# Altium PCB PCB1.PcbDoc (part 2 of 2)
Units mil, origin at the board's own origin, x right, y up, seen from the top; angles counter-clockwise.
Board outline 1850.39 x 1850.39 mil, 4 copper layers (Component Side, Ground Plane, Power Plane, Solder Side), stack 33.234 mil thick; 81 components, 68 nets, 324 pads, 677 vias.
Unrouted connection lines stored in the file: 1.
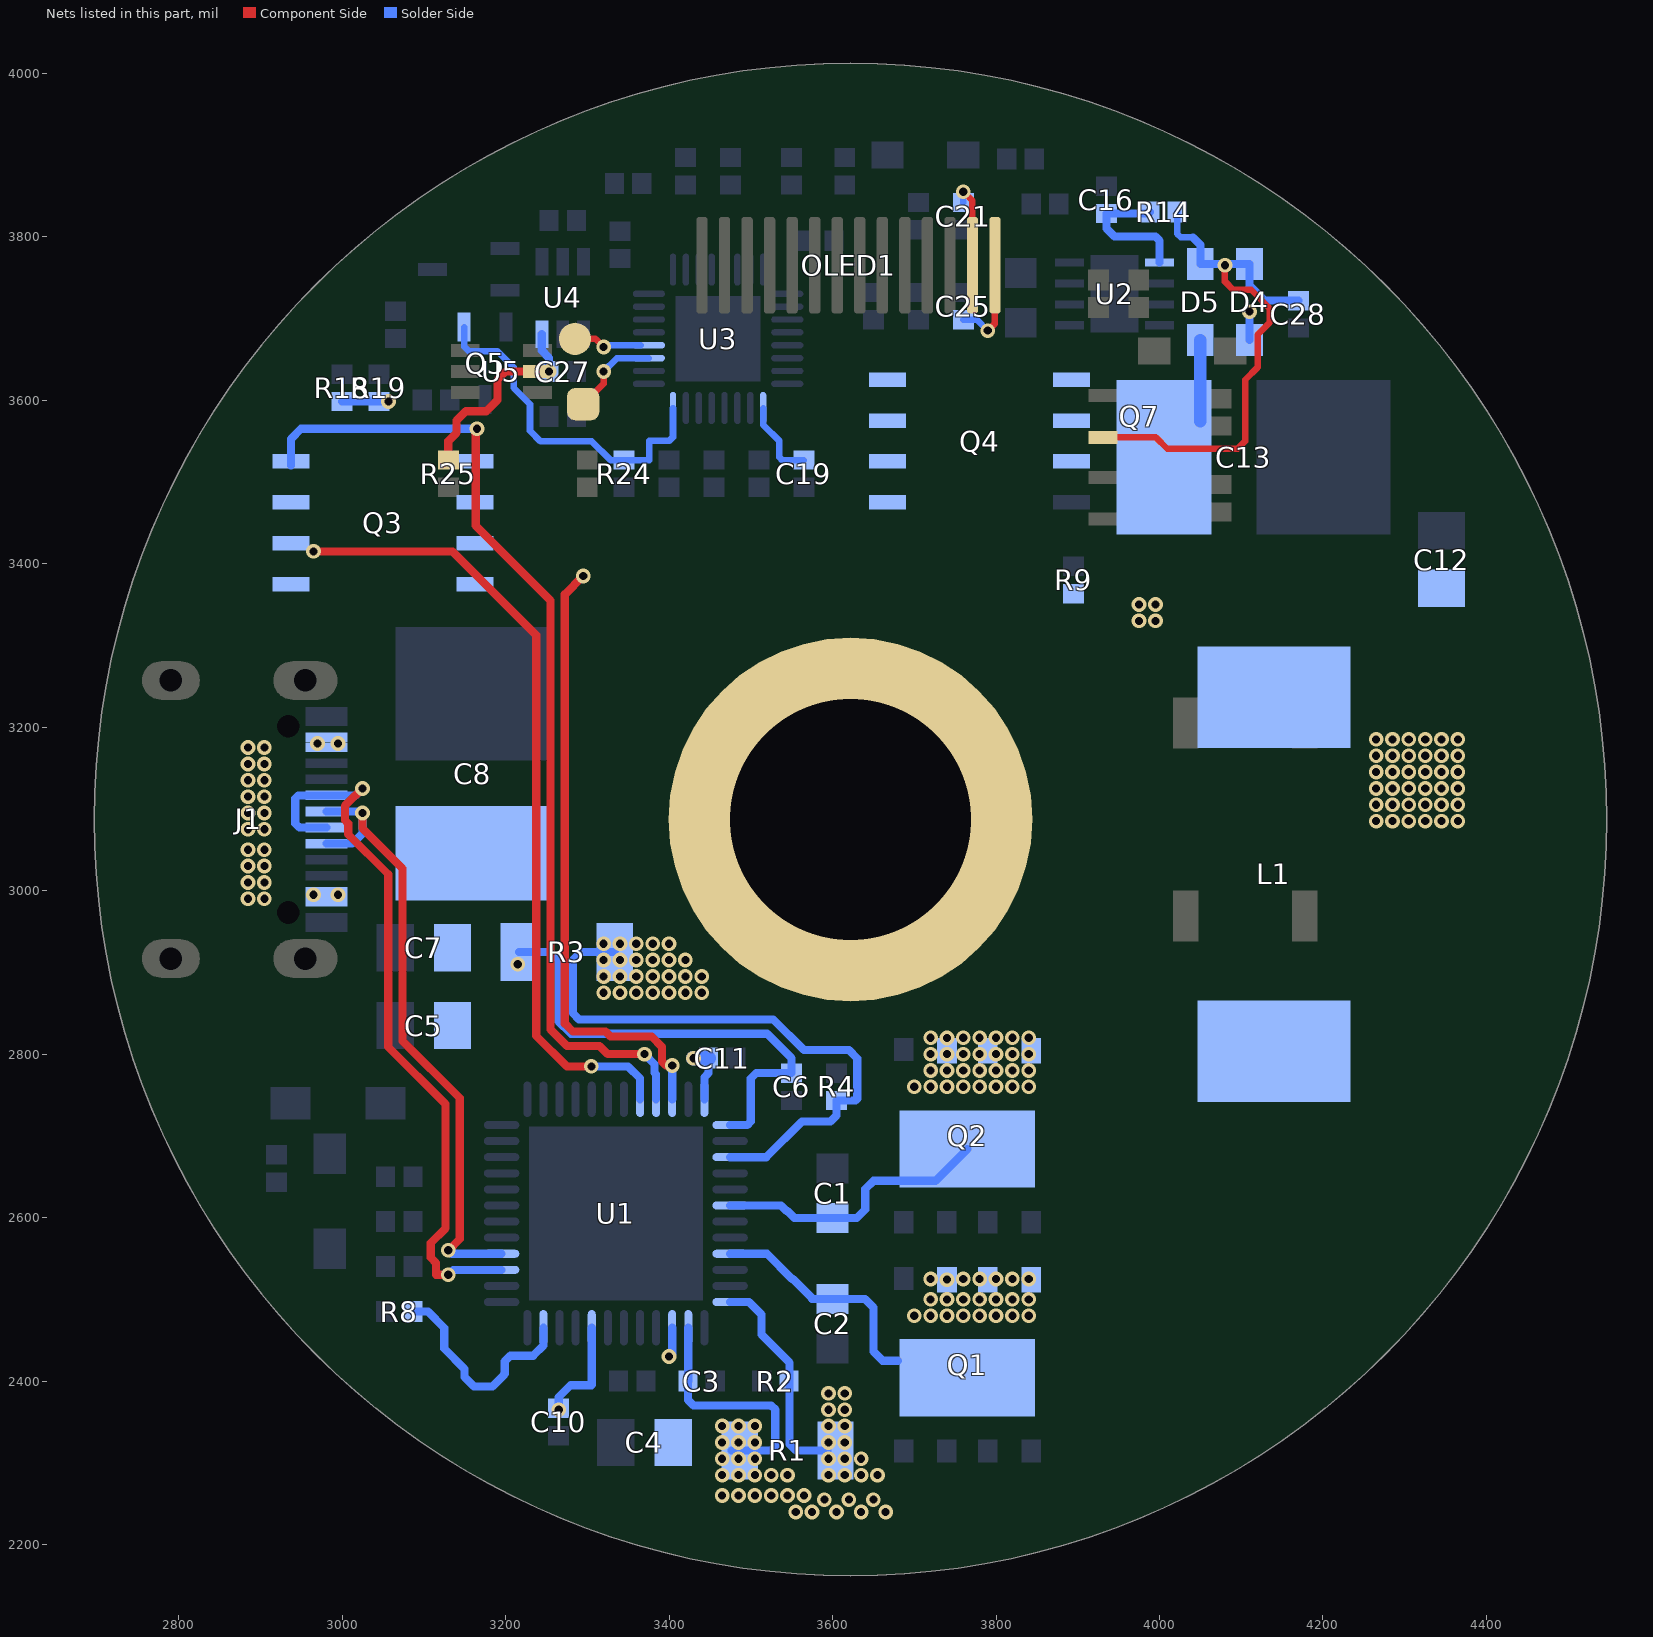
[diagram p4: the nets of this part, all layers, seen from the top]

## Via types
v1: diameter 18, hole 10, Component Side to Solder Side, tented both sides, 677 vias

## Nets (pads, with @x,y where several pads share a name; then routed paths per layer and width w, separated by ;. In a path a pad name is that pad's centre, name@x,y a point inside that pad or via, vN(x,y) a via of type N, cw(c..) or ccw(c..) an arc to the next point about the centre after c; other vN are vias at no path point) (continued)
SW1: C1.1 L1.1 Q2.9 U1.18 | length 346
  Solder Side w10: U1.18@3474.76,2614.84 3536.98,2614.84 3543.72,2608.1 3544.83,2608.1 3553.25,2599.68 3629.68,2599.68 3640,2610 3640,2635 3650,2645 3725.84,2645 Q2.9@3764.9,2684.05
SW2: C2.1 L1.2 Q1.9 U1.21 | length 291.6
  Solder Side w10: U1.21@3474.76,2555.79 3519.67,2555.79 3550.46,2525 3551.57,2525 3575,2501.57 3575,2500.46 3575.14,2500.32 C2.1@3600,2500.32 3639.68,2500.32 3650,2490 3650,2436.11 3661.11,2425 3680,2425
SWCLK: pad.15 U3.19 | length 123.7
  Component Side w8: pad.15@3285,3600 pad.15@3295,3595 3320,3620 v1(3320,3635)
  Solder Side w8: v1(3320,3635) 3336.38,3651.38 U3.19@3375.35,3651.38
SWDIO: pad.16 U3.20 | length 84.3
  Component Side w8: pad.16@3285,3675 3310,3675 v1(3320,3665)
  Solder Side w8: v1@3320.21,3667.13 U3.20@3365.35,3667.13
USBDN: J1.A7 J1.B7 U1.40 | length 773.4
  Component Side w10: v1(3025,3095) 3025,3076.25 3074,3027.25 3074,2816.15 3144,2746.15 3144,2574 v1(3130,2560)
  Solder Side w10: J1.B7@2980.87,3057.48 3012.48,3057.48 3025,3070 3025,3090 3018.15,3096.85 J1.A7@2980.87,3096.85 ; v1(3130,2560) 3134.21,2555.79 U1.40@3195.24,2555.79
USBDP: J1.A6 J1.B6 U1.39 | length 906.4
  Component Side w10: v1@3025.41,3125 v1(3025,3125) 3016.5,3116.5 3016.09,3116.5 3003.5,3103.91 3003.5,3086.09 3007.5,3082.09 3007.5,3069 3056.5,3020 3056.5,2808.91 3126.5,2738.91 3126.5,2586.91 3108.5,2568.91 3108.5,2551.09 3115,2544.59 3115,2530 v1(3130,2530)
  Solder Side w10: J1.A6@2980.87,3077.17 2947.83,3077.17 2942.78,3082.22 2942.78,3112.78 2946.54,3116.54 J1.B6@2980.87,3116.54 3016.54,3116.54 v1(3025,3125) ; v1(3130,2530) 3136.1,2536.1 U1.39@3195.24,2536.1
VBAT: pad.1 Q4.5 Q4.6 Q4.7 Q4.8
VBATTI: C3.2 C4.1 C12.1 C13.1 D5.1 Q4.1 Q4.2 Q4.3 R1.2 R9.2 U1.26 U1.27 | length 437.1
  Solder Side w10: v1(3400,2430) 3403.9,2433.9 U1.27@3403.9,2465.24 ; U1.26@3423.58,2465.24 3423.58,2400.32 C3.2@3423.27,2400 3423.27,2376.73 3430,2370 3525,2370 3530,2365 3530,2320 3525,2315 R1.2@3476.34,2315
  Solder Side w15: C13.1@4050,3574.25 D5.1@4050,3673.54
  other v1: 3555,2240 3575,2240 3605,2240 3635,2240 3665,2240 3590,2255 3620,2255 3650,2255 3465,2260 3485,2260 3505,2260 3525,2260 3545,2260 3565,2260 3465,2285 3485,2285 3505,2285 3525,2285 3545,2285 3465,2305 3485,2305 3505,2305 3465,2325 3485,2325 3505,2325 3465,2345 3485,2345 3505,2345 4265,3085 4285,3085 4305,3085 4325,3085 4345,3085 4365,3085 4265,3105 4285,3105 4305,3105 4325,3105 4345,3105 4365,3105 4265,3125 4285,3125 4305,3125 4325,3125 4345,3125 4365,3125 4265,3145 4285,3145 4305,3145 4325,3145 4345,3145 4365,3145 4265,3165 4285,3165 4305,3165 4325,3165 4345,3165 4365,3165 4265,3185 4285,3185 4305,3185 4325,3185 4345,3185 4365,3185 3975,3330 3995,3330 3975,3350 3995,3350
VBUSG: Q3.4 U1.9 | length 1227.3
  Component Side w10: v1(3165,3565) 3163.5,3563.5 3163.5,3446.5 3255,3355 3255,2830 3275,2810 3315,2810 3325,2800 v1(3370,2800)
  Solder Side w10: Q3.4@2937.4,3520 2937.4,3552.4 2950,3565 v1(3165,3565) ; v1(3370,2800) 3382.4,2787.6 3382.4,2777.2 3384.21,2775.38 U1.9@3384.21,2744.76
VBUSI: C5.2 C6.2 C7.2 C8.1 C11.2 Q3.5 Q3.6 Q3.7 Q3.8 R3.1 U1.10 U1.12 U1.13 | length 1414
  Component Side w10: v1(3295,3385) 3272.5,3362.5 3272.5,2837.25 3282.25,2827.5 3322.25,2827.5 3328.25,2821.5 3378.91,2821.5 3391.5,2808.91 3391.5,2791.09 3396.49,2786.1 v1(3403.9,2786.1)
  Solder Side w10: R3.1@3216.34,2925 3255,2925 3265,2915 3265,2840 3280,2825 3520,2825 3550,2795 C6.2@3550,2776.73 3506.73,2776.73 3500,2770 3500,2717.5 3495.77,2713.27 U1.13@3474.76,2713.27 ; U1.10@3403.9,2744.76 v1(3403.9,2786.1) ; U1.12@3443.27,2744.76 3443.27,2771.73 3448.27,2776.73 C11.2@3448.27,2795
  Solder Side w18: v1(3430,2795) C11.2@3448.27,2795
  other v1: 3215,2910
VCCIO: C10.2 C27.2 R18.2 R19.2 R25.1 U1.32 U4.6 U5.5 | length 427.4
  Component Side w10: R25.1@3130,3526.73 3130,3550 3140,3560 3140,3575 3151.5,3586.5 3176.5,3586.5 3190,3600 3190,3625 3200,3635 U5.5@3239.29,3635
  Solder Side w10: R18.2@3000,3598.27 R19.2@3045,3598.27 v1(3056.73,3598.27) ; U4.6@3244.41,3680.71 3244.41,3660.59 3253.27,3651.73 v1(3253.27,3635) ; C10.2@3265,2366.73 3265,2380.25 3279.75,2395 3305,2395 3305.47,2395.47 U1.32@3305.47,2465.24
  other v1: 3265,2365
VCCOLED: C25.2 OLED1.14 | length 119.1
  Component Side w8: v1(3790,3685) 3798.7,3693.7 OLED1.14@3798.7,3765
  Solder Side w8: C25.2@3760,3698.27 3776.73,3698.27 v1(3790,3685)
VCOMH: C21.1 OLED1.13 | length 107.9
  Component Side w8: v1(3760,3855) 3771.14,3843.86 OLED1.13@3771.14,3765
  Solder Side w8: C21.1@3760,3841.73 v1(3760,3855)
VDCT: C16.2 R14.2 U2.1 | length 170
  Solder Side w10: R14.2@3988.27,3830 3986.54,3828.27 C16.2@3935,3828.27 3935,3810 3945,3800 3995,3800 3999.92,3795.08 U2.1@3999.92,3768.39
VDCTRL: Q5.1 R24.2 U3.16 | length 431.2
  Solder Side w8: Q5.1@3149.41,3689.29 3149.41,3665.59 3155,3660 3190,3660 3210,3640 3210,3615 3229.96,3595.04 3229.96,3562.44 3242.9,3549.5 3305.5,3549.5 3328.27,3526.73 R24.2@3345,3526.73 3375.7,3526.73 3375.7,3550.04 3400.04,3550.04 3404.88,3554.88 U3.16@3404.88,3590.35
VIN: Q2.2 Q2.3 Q2.4 R3.2 R4.2 U1.15 | length 743.3
  Solder Side w10: R3.2@3333.66,2925 3292.5,2925 3282.5,2915 3282.5,2850 3290,2842.5 3527.5,2842.5 3565,2805 3620,2805 ; U1.15@3474.76,2673.9 3518.9,2673.9 3562.5,2717.5 3597.5,2717.5 3605,2725 R4.2@3605,2743.27 3628.27,2743.27 3630.3,2745.3 3630.3,2794.7 3620,2805 ; 3625,2800 3620,2805
  other v1: 3700,2760 3720,2760 3740,2760 3760,2760 3780,2760 3800,2760 3820,2760 3840,2760 3720,2780 3740,2780 3760,2780 3780,2780 3800,2780 3820,2780 3840,2780 3720,2800 3740,2800 3760,2800 3780,2800 3800,2800 3820,2800 3840,2800 3720,2820 3740,2819.68 3760,2820 3780,2820 3800,2820 3820,2820 3840,2820 3320,2875 3340,2875 3360,2875 3380,2875 3400,2875 3420,2875 3440,2875 3320,2895 3340,2895 3360,2895 3380,2895 3400,2895 3420,2895 3440,2895 3320,2915 3340,2915 3360,2915 3380,2915 3400,2915 3420,2915 3320,2935 3340,2935 3360,2935 3380,2935 3400,2935
VINT: C19.1 U3.9 | length 99.9
  Solder Side w8: U3.9@3515.12,3590.35 3515.12,3569.88 3535,3550 3535,3530 3538.27,3526.73 C19.1@3565,3526.73
VMCU: C28.2 D4.2 D5.2 Q7.2 R14.1 | length 685.3
  Component Side w8: Q7.2@3930.71,3554.41 3995.59,3554.41 4009.5,3540.5 4095.5,3540.5 4105,3550 4105,3625 4120,3640 4120,3680 4135,3695 4135,3712.26 4112.26,3735 4090,3735 4080,3745 v1(4080,3765)
  Solder Side w8: R14.1@4021.73,3830 4021.73,3803.27 4025.87,3799.13 4040.87,3799.13
  Solder Side w10: 4040.87,3799.13 4050,3790 D5.2@4050,3766.46 D4.2@4110,3766.46 4110,3740 4128.27,3721.73 C28.2@4170,3721.73
VOUT: Q1.2 Q1.3 Q1.4 R1.1 R2.1 U1.24 | length 267
  Solder Side w10: U1.24@3474.76,2496.73 3497.81,2496.73 3513,2481.54 3513,2457 3547.5,2422.5 3547.5,2322.75 3555.25,2315 R1.1@3593.66,2315
  other v1: 3595,2285 3615,2285 3635,2285 3655,2285 3595,2305 3615,2305 3635,2305 3595,2325 3615,2325 3595,2345 3615,2345 3595,2365 3615,2365 3595,2385 3615,2385 3700,2480 3720,2480 3740,2480 3760,2480 3780,2480 3800,2480 3820,2480 3840,2480 3720,2500 3740,2500 3760,2500 3780,2500 3800,2500 3820,2500 3840,2500 3740,2524.13 3720,2525 3760,2525 3780,2525 3800,2525 3820,2525 3840,2525
VSET: R8.2 U1.35 | length 269.5
  Solder Side w10: R8.2@3086.73,2485 3105,2485 3125,2465 3125,2440 3150,2415 3150,2405 3161.5,2393.5 3183.91,2393.5 3198.5,2408.09 3198.5,2408.91 3199,2409.41 3199,2424 3206.08,2431.08 3233.95,2431.08 3246.42,2443.55 U1.35@3246.42,2465.24
VTCBUS: D4.1 J1.A4 J1.A9 J1.B4 J1.B9 Q3.1 Q3.2 Q3.3 U1.8 | length 1014
  Component Side w10: v1(2965,3415) 3135,3415 3237.5,3312.5 3237.5,2822.5 3275,2785 v1(3305,2785)
  Solder Side w10: v1(3305,2785) 3350,2785 3364.53,2770.47 U1.8@3364.53,2744.76 ; D4.1@4110,3673.54 v1(4110,3708.27)
  other v1: 2885,2990 2905,2990 2965,2995 2995,2995 2885,3010 2905,3010 2885,3030 2905,3030 2885,3050 2905,3050 2885,3075 2905,3075 2885,3095 2905,3095 2885,3115 2905,3115 2885,3135 2905,3135 2885,3155 2905,3155 2885,3175 2905,3175 2970,3180 2995,3180
pads on no net: J1.0 J1.A8 J1.B8 OLED1.6 S1.2 S1.4 U1.1 U1.2 U1.3 U1.5 U1.6 U1.7 U1.28 U1.31 U1.44 U1.45 U1.46 U1.47 U1.48 U2.3 U2.5 U2.6 U2.7 U3.1 U3.2 U3.4 U3.7 U3.13 U3.14 U3.21 U3.27 U3.28 U3.29 U3.30

## Polygon pours and split planes (outlines as drawn)
GND on Solder Side "Component Side-No Net 1" (solid, remove dead copper, pour order 88): 3097.96,3732.37 3090,3724.41 3090,3685 3005,3685 3000,3680 3005,3685 3005,3740 3015,3740 3025,3750 3027.37,3752.37 3100.71,3752.37
GND on Solder Side "Component Side-No Net 1" (solid, remove dead copper, pour order 101): 4035,3350 4045,3360 4880,3360 4880,2050 4900,2030 4795,1925 3655,1925 3655,2420 3760,2525 3945,2710 3945,2725
GND on Solder Side "Component Side-No Net 1" (solid, remove dead copper, pour order 136): 3355,2425 3140,2425 3137.5,2427.5 3130,2420 3130,2205 3370.28,2205 3382.42,2192.86
VBAT on Solder Side "Component Side-No Net 1" (solid, remove dead copper, pour order 100): 19 vertices, not listed, extent 3320,2760 3935,3655
GND on Solder Side "Component Side-No Net 1" (solid, remove dead copper, pour order 132): 3305.47,2434.53 3322.42,2417.58 3429.03,2417.58 3429.03,2280.97 3435,2275 3270,2275
GND on Solder Side "Component Side-No Net 1" (solid, remove dead copper, pour order 129): 3110,2504.75 3134.75,2480 3290,2480 3290,2357.28 3277.68,2344.96 3263.72,2331 3110.95,2331
GND on Solder Side "Component Side-No Net 1" (solid, remove dead copper, pour order 104): 4180,3660 4175,3655 4175,3295 4585,3295 4610,3320 4640,3350 4640,3700
GND on Solder Side "Component Side-No Net 1" (solid, remove dead copper, pour order 98): 3177.65,2877.35 3337.65,2877.35 3355,2860 3375,2840 3375,2730 3160,2730 3150,2720
VBATTI on Solder Side "Component Side-No Net 1" (solid, remove dead copper, pour order 89): 17 vertices, not listed, extent 3430,2215 3615,2305
GND on Solder Side "Component Side-No Net 1" (solid, remove dead copper, pour order 83): 2845,2775 3055,2775 3065,2765 3075.08,2754.92 3075.08,2462.2 3075.08,2400.08 3055,2380 2750,2380 2750,2685 2680,2755
GND on Solder Side "Component Side-No Net 1" (solid, remove dead copper, pour order 119): 3158.79,2730.61 2980.87,2719.01 2980.87,2965 3255,2965 3265,2975 3270.64,2969.36 3270.64,2784.86 3270.64,2730.64 3270,2730
VIN on Solder Side "Component Side-No Net 1" (solid, remove dead copper, pour order 115): 3310,2939.61 3310,2960 3385,2960 3390.39,2965.39 3395,2960.78 3395,2920 3395,2860 3330,2860
BST1 on Solder Side "Component Side-No Net 1" (solid, remove dead copper, pour order 112): 3580,2700 3580,2640 3625,2640 3625,2700
VIN on Solder Side "Component Side-No Net 1" (solid, remove dead copper, pour order 111): 3310,2945 3310,2865 3315,2860 3325,2860 3380,2860 3455,2860 3455,2875 3455,2895 3445,2905 3410,2905
VBATTI on Solder Side "Component Side-No Net 1" (solid, remove dead copper, pour order 103): 4247.65,3080 4247.65,3077.35 4250,3075 4385,3075 4388.47,3075 4395,3081.53 4395,3200 4255,3200 4250,3195
GND on Solder Side "Component Side-No Net 1" (solid, remove dead copper, pour order 102): 3682.4,2645.97 3682.4,2497.6 3700,2480 3730,2450 4045,2450 4045,2675 4075,2705 4055,2685 3670,2685
SW1 on Solder Side "Component Side-No Net 1" (solid, remove dead copper, pour order 96): 20 vertices, not listed, extent 3675,2620 4240,3305
SW2 on Solder Side "Component Side-No Net 1" (solid, remove dead copper, pour order 94): 17 vertices, not listed, extent 3675,2346.84 4235,2865
GND on Solder Side "Component Side-No Net 1" (solid, remove dead copper, pour order 133): 2760,2820 3158.94,2820 3167.87,2811.06 3185,2793.94 3185,2395 3269.41,2395 3287.68,2376.73 3315,2349.41 3315,2245 2665,2245 2660,2240
BST2 on Solder Side "Component Side-No Net 1" (solid, remove dead copper, pour order 131): 2960,2705 2960,2640 2965,2635 3005,2635 3005,2705
BST1 on Solder Side "Component Side-No Net 1" (solid, remove dead copper, pour order 130): 2985,2755 2990,2760 3080,2760 3080,2720 3030,2720 3025,2720 3020,2715 2985,2715
GND on Solder Side "Component Side-No Net 1" (solid, remove dead copper, pour order 128): 3140,2870 3180,2910 3311.83,2910 3311.83,2901.44 3487.26,2726.01 3474.76,2713.52 3474.76,2713.27 3293.66,2713.27 3195.24,2614.84 3189.83,2620.25 3135,2620.25 3135,2765 3070,2830
VOUT on Solder Side "Component Side-No Net 1" (solid, remove dead copper, pour order 127): 3682.32,2496.37 3705.16,2496.37 3705.16,2549.84 3705,2550 3855,2550 3855,2459.02 3853.09,2457.11 3835.98,2440 3675,2440 3675,2495
GND on Solder Side "Component Side-No Net 1" (solid, remove dead copper, pour order 123): 18 vertices, not listed, extent 2660,2215 3310,2585
VTCBUS on Solder Side "Component Side-No Net 1" (solid, remove dead copper, pour order 118): 35 vertices, not listed, extent 2825,2980 3010,3490
VIN on Solder Side "Component Side-No Net 1" (solid, remove dead copper, pour order 117): 3310,2945 3405,2945 3455,2895 3455,2865 3365,2865 3355,2875 3315,2875 3310,2875
VIN on Solder Side "Component Side-No Net 1" (solid, remove dead copper, pour order 114): 3682.32,2742.51 3682.32,2776.37 3705.16,2776.37 3705.16,2840 3860,2840 3860,2715 3690,2715 3685,2710
GND on Solder Side "Component Side-No Net 1" (solid, remove dead copper, pour order 107): 3295,2355 3400,2355 3470,2355 3470,2200 3475,2195 3471.3,2191.3 3471.3,2174.17 3270.83,2174.17 3295,2210
VBATTI on Solder Side "Component Side-No Net 1" (solid, remove dead copper, pour order 105): 3450,2355 3370,2355 3370,2295 3440,2295 3450,2285 3485,2285 3485,2325 3485,2355
VBATTI on Solder Side "Component Side-No Net 1" (solid, remove dead copper, pour order 97): 3500,2290 3560,2290 3565,2290 3570,2285 3575,2240 3475,2255
GND on Solder Side "Component Side-No Net 1" (solid, remove dead copper, pour order 86): 3685,2355 3675,2345 3675,2245 3505,2245 3465,2285 3450,2270 3450,2225 3450,2160 3470,2140 3520,2090 3790,2090 3790,2165 3880,2255 3870,2265 3870,2400
VBATTI on Solder Side "Component Side-No Net 1" (solid, remove dead copper, pour order 84): 3500,2355 3500,2280 3505,2275 3600,2275 3675,2275 3675,2230 3545,2230 3530,2245 3505,2245 3470,2245 3460,2245 3450,2255 3450,2355
VOUT on Solder Side "Component Side-No Net 1" (solid, remove dead copper, pour order 82): 3570,2395 3570,2285 3570,2280 3575,2275 3675,2275 3675,2295 3665,2295 3645,2315 3630,2330 3630,2380 3630,2390 3625,2395
VBATTI on Solder Side "Component Side-No Net 1" (solid, remove dead copper, pour order 140): 3512.96,2300.38 3510,2303.34 3510,2340 3510,2355 3485,2355 3450,2355 3455,2350 3455,2265 3510,2265 3515,2260
VBATTI on Solder Side "Component Side-No Net 1" (solid, remove dead copper, pour order 141): 3456.53,2355 3515,2355 3515,2298.34 3518.34,2295 3525,2288.34 3525,2260 3525,2250 3520,2245 3510,2235 3459.19,2235 3444.59,2249.59
GND on Solder Side "Component Side-No Net 1" (solid, remove dead copper, pour order 142): 3945,2610 3950,2615 4090,2615 4090,2475 4075,2460 4072.11,2457.11 3853.09,2457.11 3853.09,2600.48 3864.96,2612.35
SW1 on Solder Side "Component Side-No Net 1" (solid, remove dead copper, pour order 143): 17 vertices, not listed, extent 3678.54,2620 4105,3305
GND on Solder Side "Component Side-No Net 1" (solid, remove dead copper, pour order 144): 3444.77,2810.23 3444.77,2744.76 3444.77,2714.77 3495.77,2713.27 3541.73,2713.27 3545,2710 3605,2770 3605,2820 3605,2875 3600,2880 3595,2885 3390,2885
GND on Solder Side "Component Side-No Net 1" (solid, remove dead copper, pour order 147): 33 vertices, not listed, extent 2445,2680 3260,3360
VBUSI on Solder Side "Component Side-No Net 1" (solid, remove dead copper, pour order 148): 27 vertices, not listed, extent 2965,2795 3390,3565
VBATTI on Solder Side "Component Side-No Net 1" (solid, remove dead copper, pour order 149): 19 vertices, not listed, extent 3830,3045 4402.06,3655
VBATTI on Solder Side "Component Side-No Net 1" (solid, remove dead copper, pour order 150): 3855,3475 3925,3475 3950,3450 3940,3440 3940,3310 3850,3310 3840,3320 3835,3325 3835,3480
GND on Solder Side "Component Side-No Net 1" (solid, remove dead copper, pour order 153): 3784.13,3720.87 3785,3720 3860,3720 3865,3720 3870,3715 3870,3685 3905,3685 3905,3780 3980,3780 3980,3705 4035,3705 4035,3640 3795,3640 3785,3650
3V3 on Solder Side "Component Side-No Net 1" (solid, remove dead copper, pour order 155): 3810,3795 3860,3795 3905,3795 3905,3755 3870,3755 3865,3750 3865,3735 3810,3735
GND on Solder Side "Component Side-No Net 1" (solid, remove dead copper, pour order 157): 2600,3260 5065,3260 5070,3265 4900,3435 4900,4130 2635,4130 2620,4115
GND on Solder Side "Component Side-No Net 1" (solid, remove dead copper, pour order 159): 4026.16,3700.21 4076.37,3650 4190,3650 4349.97,3650 4374.05,3625.91 4375,3624.97 4375,3485 4402.65,3404.18 4326.37,3400 4270,3400 4260,3425 4035,3425 4030,3430
GND on Component Side "Component Side-No Net 1" (solid, remove dead copper, pour order 90): 2700,2160 3255,2160 3300,2115 3335,2150 4415,2150 4525,2150 4545,2170 4640,2265 4640,3625 4640,3905 4420,4125 4405,4140 2635,4140
3V3 on Component Side "Component Side-No Net 1" (solid, remove dead copper, pour order 85): 3810,3840 3810,3703.82 3811.07,3702.75 3816.62,3708.29 3886.71,3708.29 3886.71,3833.29 3885,3835
VBATTI on Component Side "Component Side-No Net 1" (solid, remove dead copper, pour order 125): 3405,2564.01 3405,2469.14 3450,2424.14 3454.14,2420 3490,2420 3490,2310 3475,2295 3495,2275 3540,2275 3540,2560 3550,2570
VBATTI on Component Side "Component Side-No Net 1" (solid, remove dead copper, pour order 122): 3450,2280 3450,2490 3405,2535 3405,2640 3405,2685 3435,2715 3485,2715 3485,2745 3540,2745 3725,2745 3725,2580 3720,2575 3721.84,2573.16 3721.84,2280
VIN on Component Side "Component Side-No Net 1" (solid, remove dead copper, pour order 120): 3627.35,2742.65 3507.35,2742.65 3490,2760 3475,2775 3475,2800 3695,2800 3705,2810 3740,2775 3740,2760 3740,2745
VIN on Component Side "Component Side-No Net 1" (solid, remove dead copper, pour order 116): 20 vertices, not listed, extent 3310,2765 3860,2970
GND on Component Side "Component Side-No Net 1" (solid, remove dead copper, pour order 113): 2955,3305 2955,2910 2940,2895 2925,2910 2775,2910 2775,3300 2770,3305
GND on Component Side "Component Side-No Net 1" (solid, remove dead copper, pour order 92): 2680,3635 2715,3600 2995,3600 2995,3324.72 2961.28,3291 2960.28,3290 2885,3290 2630,3290
GND on Component Side "Component Side-No Net 1" (solid, remove dead copper, pour order 80): 2950,3305 2952.88,3302.12 2952.88,3040 2985,3040 3025,3000 3035.78,2989.22 3035.78,2763.18 2896.82,2763.18 2800,2860 2745,2805 2535,2805 2535,3260 2470,3325
GND on Component Side "Component Side-No Net 1" (solid, remove dead copper, pour order 109): 2955,3310 2955.28,3309.72 2955.28,3142.26 2955.28,2935.28 2955,2935 2945,2945 2705,2945 2705,3295 2695,3305
GND on Component Side "Component Side-No Net 1" (solid, remove dead copper, pour order 108): 2903.41,3300 2912.41,3291 2961.28,3291 2961.28,3171.28 2960,3170 2920,3130 2795,3130 2795,3310 2785,3320 2790,3325
GND on Component Side "Component Side-No Net 1" (solid, remove dead copper, pour order 106): 18 vertices, not listed, extent 2560,2830 3015,3375
VBATTI on Component Side "Component Side-No Net 1" (solid, remove dead copper, pour order 81): 3435,2215 3450,2200 4300,2200 4300,2535 4430,2665 4425,2670 4425,3235 4180,3235 4165,3250 4040,3125 4040,2840 3464.91,2840 3436.73,2811.82
BST2 on Component Side "Component Side-No Net 1" (solid, remove dead copper, pour order 135): 2945,2685 2950,2680 3025,2680 3025,2625 3030,2620 3020,2610 2930,2610
BST1 on Component Side "Component Side-No Net 1" (solid, remove dead copper, pour order 134): 2955,2765 3065,2765 3060,2760 3060,2685 2960,2685 2945,2700
VTCBUS on Component Side "Component Side-No Net 1" (solid, remove dead copper, pour order 126): 2870,3190 3014.14,3190 3017.06,3192.93 3025,3184.99 3025,3155 3015,3155 2950,3155 2935,3140 2930,3135 2885,3135
VIN on Component Side "Component Side-No Net 1" (solid, remove dead copper, pour order 124): 3705,2820 3705,2840 3880,2840 3880,2800 3875,2795 3855,2775 3705,2775
VTCBUS on Component Side "Component Side-No Net 1" (solid, remove dead copper, pour order 121): 17 vertices, not listed, extent 2870,2980 3010,3190
VIN on Component Side "Component Side-No Net 1" (solid, remove dead copper, pour order 110): 18 vertices, not listed, extent 3305,2735 3860,2945
GND on Component Side "Component Side-No Net 1" (solid, remove dead copper, pour order 99): 3730,2285 3665,2285 3650,2270 3645.77,2274.23 3450,2274.23 3450,2100 3445,2095 3490,2050 3945,2050 3945,2225 4085,2365 4030,2420 4015,2420
VBATTI on Component Side "Component Side-No Net 1" (solid, remove dead copper, pour order 95): 3465,2540 3520,2540 3542.5,2562.5 3555,2575 3655,2575 3655,2395 3660,2390 3655,2385 3550,2385 3530,2385 3470,2270
VOUT on Component Side "Component Side-No Net 1" (solid, remove dead copper, pour order 78): 3645,2392.67 3572.67,2392.67 3570,2390 3570,2340 3570,2335 3605,2300 3610,2305 3680,2305 3680,2385 3685,2390 3680,2395
VOUT on Component Side "Component Side-No Net 1" (solid, remove dead copper, pour order 91): 3658.25,2510 3658.25,2543.25 3665,2550 3670,2555 3865,2555 3865,2478.46 3860.77,2474.23 3826.54,2440 3825,2440 3705,2440 3690,2455
GND on Component Side "Component Side-No Net 1" (solid, remove dead copper, pour order 87): 3813.38,2553.16 3711.84,2553.16 3710,2555 3710,2610 3716.84,2616.84 3725,2625 3830,2625 3830,2615 3845,2600 3850,2595
VOUT on Component Side "Component Side-No Net 1" (solid, remove dead copper, pour order 76): 3645,2515 3650,2510 3865,2510 3865,2478.46 3860.77,2474.23 3848.38,2461.84 3730,2461.84 3730,2275 3575,2275 3570,2280 3570,2355 3640,2355 3645,2360
VOUT on Component Side "Component Side-No Net 1" (solid, remove dead copper, pour order 137): 3845.57,2470.57 3755.57,2470.57 3755,2470 3755,2380 3755,2300 3740,2285 3730,2275 3655,2275 3600,2275 3580,2295 3632.26,2347.26 3632.26,2496.08 3632.26,2562.26 3640,2570 3810,2570
VOUT on Component Side "Component Side-No Net 1" (solid, remove dead copper, pour order 138): 3844.94,2470.15 3844.94,2359.94 3835,2350 3832.26,2347.26 3755,2347.26 3682.74,2347.26 3670,2360 3685,2375 3685,2495 3685,2533.02 3678.56,2539.46 3689.1,2550 3795,2550
GND on Component Side "Component Side-No Net 1" (solid, remove dead copper, pour order 139): 3700,2385 4095,2385 4105,2395 4100,2390 4100,2110 3670,2110 3650,2090 3645,2095 3645,2410
VIN on Component Side "Component Side-No Net 1" (solid, remove dead copper, pour order 145): 3446.82,2795 3446.82,2763.18 3455,2755 3475,2755 3480,2755 3480,2740 3495,2740 3535,2740 3535,2815 3540,2820 3475,2885 3430,2885 3385,2885 3391.5,2878.5 3391.5,2791.09
GND on Component Side "Component Side-No Net 1" (solid, remove dead copper, pour order 146): 2775,3300 3085,3300 3100,3285 3130,3255 3130,3065 2720,3065
VOUT on Ground Plane (split plane): 29 vertices, not listed, extent 3575.1,2278.66 3854.9,2549.9
no net on Ground Plane (split plane): 3525,2892.21 3522.21,2895 3525,2895
VBATTI on Ground Plane (split plane): 59 vertices, not listed, extent 3440.1,2210.1 4379.9,3199.9
VIN on Ground Plane (split plane): 26 vertices, not listed, extent 3305.1,2745.1 3855,2954.9
VBUSI on Ground Plane (split plane): 25 vertices, not listed, extent 3200.1,2775.1 3454.9,2934.9
GND on Ground Plane (split plane): 337 vertices, not listed, extent 2716.83,2181.83 4527.19,3992.19
VIN on Power Plane (split plane): 23 vertices, not listed, extent 3300.1,2745.1 3854.9,2954.9
GND on Power Plane (split plane): 18 vertices, not listed, extent 3240.1,2487.21 3447.79,2699.9
no net on Power Plane (split plane): 3430,2792.21 3430,2795 3432.79,2795
no net on Power Plane (split plane): 3422.5,2784.71 3422.5,2785 3422.79,2785
VBATTI on Power Plane (split plane): 47 vertices, not listed, extent 3385.1,2415.1 4009.9,3364.9
VOUT on Power Plane (split plane): 36 vertices, not listed, extent 3580.1,2275.68 3855,2539.9
VBATTI on Power Plane (split plane): 18 vertices, not listed, extent 3445.1,2225.1 3679.9,2369.9
3V3 on Power Plane (split plane): 47 vertices, not listed, extent 3217.21,3365.1 3869.9,3914.9
VTCBUS on Power Plane (split plane): 52 vertices, not listed, extent 2855.1,2970.1 4124.9,3734.9
no net on Power Plane (split plane): 24 vertices, not listed, extent 2900.1,2770.1 3350,3129.9
BST1 on Power Plane (split plane): 25 vertices, not listed, extent 2975.1,2640.1 3624.9,2799.9
GND on Power Plane (split plane): 458 vertices, not listed, extent 2716.83,2181.83 4527.19,3992.19
BST2 on Power Plane (split plane): 75 vertices, not listed, extent 2960.1,2375.1 3629.9,2699.9
VCCIO on Power Plane (split plane): 133 vertices, not listed, extent 2805.1,2345.1 3324.9,3802.79

## Keep-outs
Keep-Out Layer:
  circle w10: c3622.01,3087.01 r925.2

## Other copper
Ground Plane (plane layer: these items are gaps in the copper):
  rectangle: 3385,2960 3420,3315
  rectangle: 3425,2955 3440,2965
  rectangle: 3555,2880 3850,2960
  rectangle: 3420,2960 3850,3315
  rectangle: 3510,2895 3560,2960
  rectangle: 3525,2885 3570,2895
  rectangle: 3532.21,2875 3565,2885
  rectangle: 3480,2935 3510,2960
  rectangle: 3457.21,2950 3485,2960
  rectangle: 3467.21,2940 3500,2950
  rectangle: 3470,2930 3500,2950
  rectangle: 3485,2920 3520,2940
  rectangle: 3495,2910 3525,2920
  rectangle: 3500,2905 3515,2930
  rectangle: 3570,2410 3645,2475
  lines w10: 3300,2855 3300,2945 3315,2960 3450,2960 3535,2875 3850,2875 3860.1,2864.9 3860.1,2750.1 3850,2740 3655,2740 3615,2780 3460,2780 ; 3435,2765 3435,2260 3455,2240 3495,2240 3530,2205 ; 3530,2167.59 3530,2205 ; 3530,2195 3530,2205 ; 3570,2410 3645,2410 3645,2540 3660,2555 3685,2555 3705,2555 3715,2545 3860,2545 3860,2455 3830,2455 3740,2365 3740,2330 3700,2290 3681.49,2271.49 3678.08,2274.9 ; 3840,3205 4385,3205 4385,3075 4375,3065 4030,3065 4000,3035 4000,2690 3940,2630 3655,2630 3570,2545 3570,2287.05 3582.15,2274.9 3678.08,2274.9 ; 3460,2780 3460,2805 3410,2855 3275,2855 3235,2895 3235,2930 3225,2940 3205,2940 3195,2930 3195,2885 3255,2825 3387.79,2825 3405,2807.79 3405,2777.79 3412.79,2770 3450,2770 3460,2780 ; 3530,2205 3672.21,2205 3689.9,2222.69 3689.9,2263.08 3678.08,2274.9
Power Plane (plane layer: these items are gaps in the copper):
  rectangle: 3535,3850 3565,3875
  rectangle: 3350,2960 3405,3330
  rectangle: 3405,2957.21 3415,2965.1
  rectangle: 3560,2875 3855,2960
  rectangle: 3405,2960 3855,3330
  rectangle: 3495,2915 3560,2960
  rectangle: 3457.21,2950 3520,2960
  rectangle: 3475,2930 3495,2950
  rectangle: 3460,2942.21 3475,2975
  rectangle: 3485,2922.21 3495,2950
  rectangle: 3525,2885 3560,2915
  rectangle: 3535,2875 3545,2905
  rectangle: 3530,2880 3535,2905
  rectangle: 3505,2900 3525,2915
  rectangle: 3495,2910 3510,2930
  rectangle: 3515,2890 3535,2915
  rectangle: 3535,2875 3580,2890
  rectangle: 4250,3075 4375,3195
  rectangle: 2950,3205 3010,3240
  rectangle: 3360,2795 3440,2805
  rectangle: 3377.21,2785 3430,2795
  rectangle: 3405,2767.21 3420,2805
  rectangle: 3390,2767.21 3405,2805
  rectangle: 3380,2780 3400,2795
  rectangle: 3415,2777.5 3422.5,2795
  lines w10: 2895,2965 2895,2845 2975,2765 2985,2765 ; 3175,3560 3190,3545 ; 3210,3810 3275,3745 3275,3670 3275,3605 3235,3605 3235,3555 3275,3555 3275,3420 3310,3420 3330,3400 3330,3360 ; 3235,2705 3235,2550 3255,2530 3330,2530 3380,2480 ; 3360,3135 3025,3135 3025,2985 3005,2965 2865,2965 2850,2980 2850,3190 2865,3205 3010,3205 3020,3195 3020,3170 3075,3170 3320,3170 3320,3350 3330,3360 ; 3405,2760 3440,2795 ; 3430,2440 3435,2435 3540,2435 3580,2475 3625,2475 3635,2465 3635,2430 3635,2415 3670,2415 3670,2505 3680,2515 3710,2545 3854.42,2545 3860.1,2539.32 3860.1,2455.1 3845,2440 3815,2440 3720,2345 3720,2280 3710.58,2270.58 3575,2270.58 3575,2405 3580,2410 3585,2415 3625,2415 ; 3575,2350 3575,2375 ; 3606.1,2166.1 3606.1,2220 ; 3630,2635 3630,2690 3615,2705 3460,2705 3360,2805 3025,2805 2970,2750 2970,2690 ; 3685,2270.58 3685,2227.79 3677.21,2220 3535,2220 3515,2240 3455,2240 3440,2255 3440,2375 3575,2375 ; 3845,3325 3860,3340 3860,3625 3930,3695 3975,3695 3995,3675 4105,3675 4130,3700 4130,3725.1 4115.1,3740 4110,3740 3850,3740 3830,3720 3830,3390 3800,3360 3330,3360 ; 3940,3740 3875,3740 3875,3890 3845,3920 3500,3920 3485,3905 3413.27,3905 3353.27,3845 3245,3845 3220,3820 3170,3770 3160,3770 3090,3770 2870,3550 2870,3270 2800,3200 2800,2955 2830,2925 2830,2805 2870,2765 2870,2630 2925,2575 2935,2575 2940,2570 3030,2570 3045,2555 3045,2495 3100,2440 3170,2440 3235,2375 3235,2350 3245,2340 3280,2340 3290,2350 3290,2400 3305,2415 3325,2415 ; 2970,2690 2965,2690 2955,2680 2955,2630 2965,2620 3105,2620 3115,2630 3180,2630 3180,2515 3220,2475 3305,2475 3325,2455 3325,2415 ; 2970,2690 3045,2690 3060,2705 3385,2705 3455,2635 ; 3325,2415 3370,2370 3430,2370 3435,2375 3575,2375 ; 3380,2480 3380,2420 3390,2410 3415,2410 3430,2425 3430,2460 3465,2495 3465,2575 3475,2585 3655,2585 3705,2635 3970,2635 4015,2680 4015,3370 3955,3370 3955,3295 3965,3285 3965,2700 3935,2670 3690,2670 3655,2635 3455,2635 ; 3380,2480 3390,2490 3410,2490 3435,2515 3435,2615 3455,2635 ; 3295,2805 3295,2945 3310,2960 3450,2960 3535,2875 3850,2875 3860,2865 3860,2750 3850,2740 3640,2740 3615,2765 3475,2765 3435,2805 3295,2805

## Silkscreen, mask and mechanical layers (free items; w line width, h text height)
Top Overlay:
  rectangle: 3183.19,3660 3206.81,3678.31
  lines w10: 3334.13,3831.57 3905,3831.57
  text "STAT" at 3995,3700 h78.74
  text "D" at 3354.43,3570 h78.74
  text "C" at 3350,3510 h78.74
  text "Difftorch" at 3110,3350 h157.48 r270
  text "Extreme" at 3010,3275 h157.48 r270
  text "Project" at 3230,3270 h157.48 r270
  text "Check" at 4285,3185 h78.74 r270
  text "Status" at 4225,3180 h78.74 r270
  text "3S Li-iON" at 3420,2670 h100
  text "Typec-Charging" at 3315,2585 h100
  text "Module V3" at 3410,2480 h100
  text "By:" at 3345,2400 h100
  text "Restoner_35" at 3525,2400 h100
Bottom Overlay:
  rectangle: 3226.69,3713.19 3245,3736.81
  rectangle: 3180,2760 3211.57,2792.73
  rectangle: 4055,3805 4080,3830
  text "+" at 3935,3400 h80 r180
  text "65W PD3.0" at 3835,3345 h100
  text "V+" at 3420,3245 h100
  text "+" at 3300,3055 h80 r180
  text "JLCJLCJLC" at 3925,2825 h80 r270
  text "PDIN" at 3010,2815 h100
  text "N" at 3165,2630 h80
  text "烫" at 3960,2585 h120 r90
  text "P" at 3165,2570 h80
  text "C" at 3165,2515 h80
  text "V" at 3165,2455 h80
Top Solder:
  lines w66.93: 2722.87,2979.74 cw(c3622.01,3087.01) 2722.99,3195.24 ; 2751.41,3336.02 cw(c3622.01,3087.01) 2752.09,2835.61
Bottom Solder:
  rectangle: 3875,2360 3945,2460
  rectangle: 3890,2630 4000,2730
  rectangle: 4085,2655 4185,2710
  lines w39.37: 4025,3360 4260,3360
  lines w59.06: 2751.41,3336.03 cw(c3622.01,3087.01) 2752.1,2835.61
  lines w100: 3925,2410 4030,2410 4135,2515 4135,2655

## Text inside footprints (layer, text, board x,y; h text height)
OLED1: Top Overlay "1" at 3424.13,3645 h78.74; Top Overlay "14" at 3774.13,3650 h78.74